# Altium PCB Cabinet_Device.PcbDoc (part 3 of 6)
Units mil, origin at the board's own origin, x right, y up, seen from the top; angles counter-clockwise.
Board outline 9999.43 x 4132.85 mil, 4 copper layers (Top Layer, Ground, Internal Plane 1, Bottom Layer), stack 30.634 mil thick; 517 components, 341 nets, 1478 pads, 1628 vias.
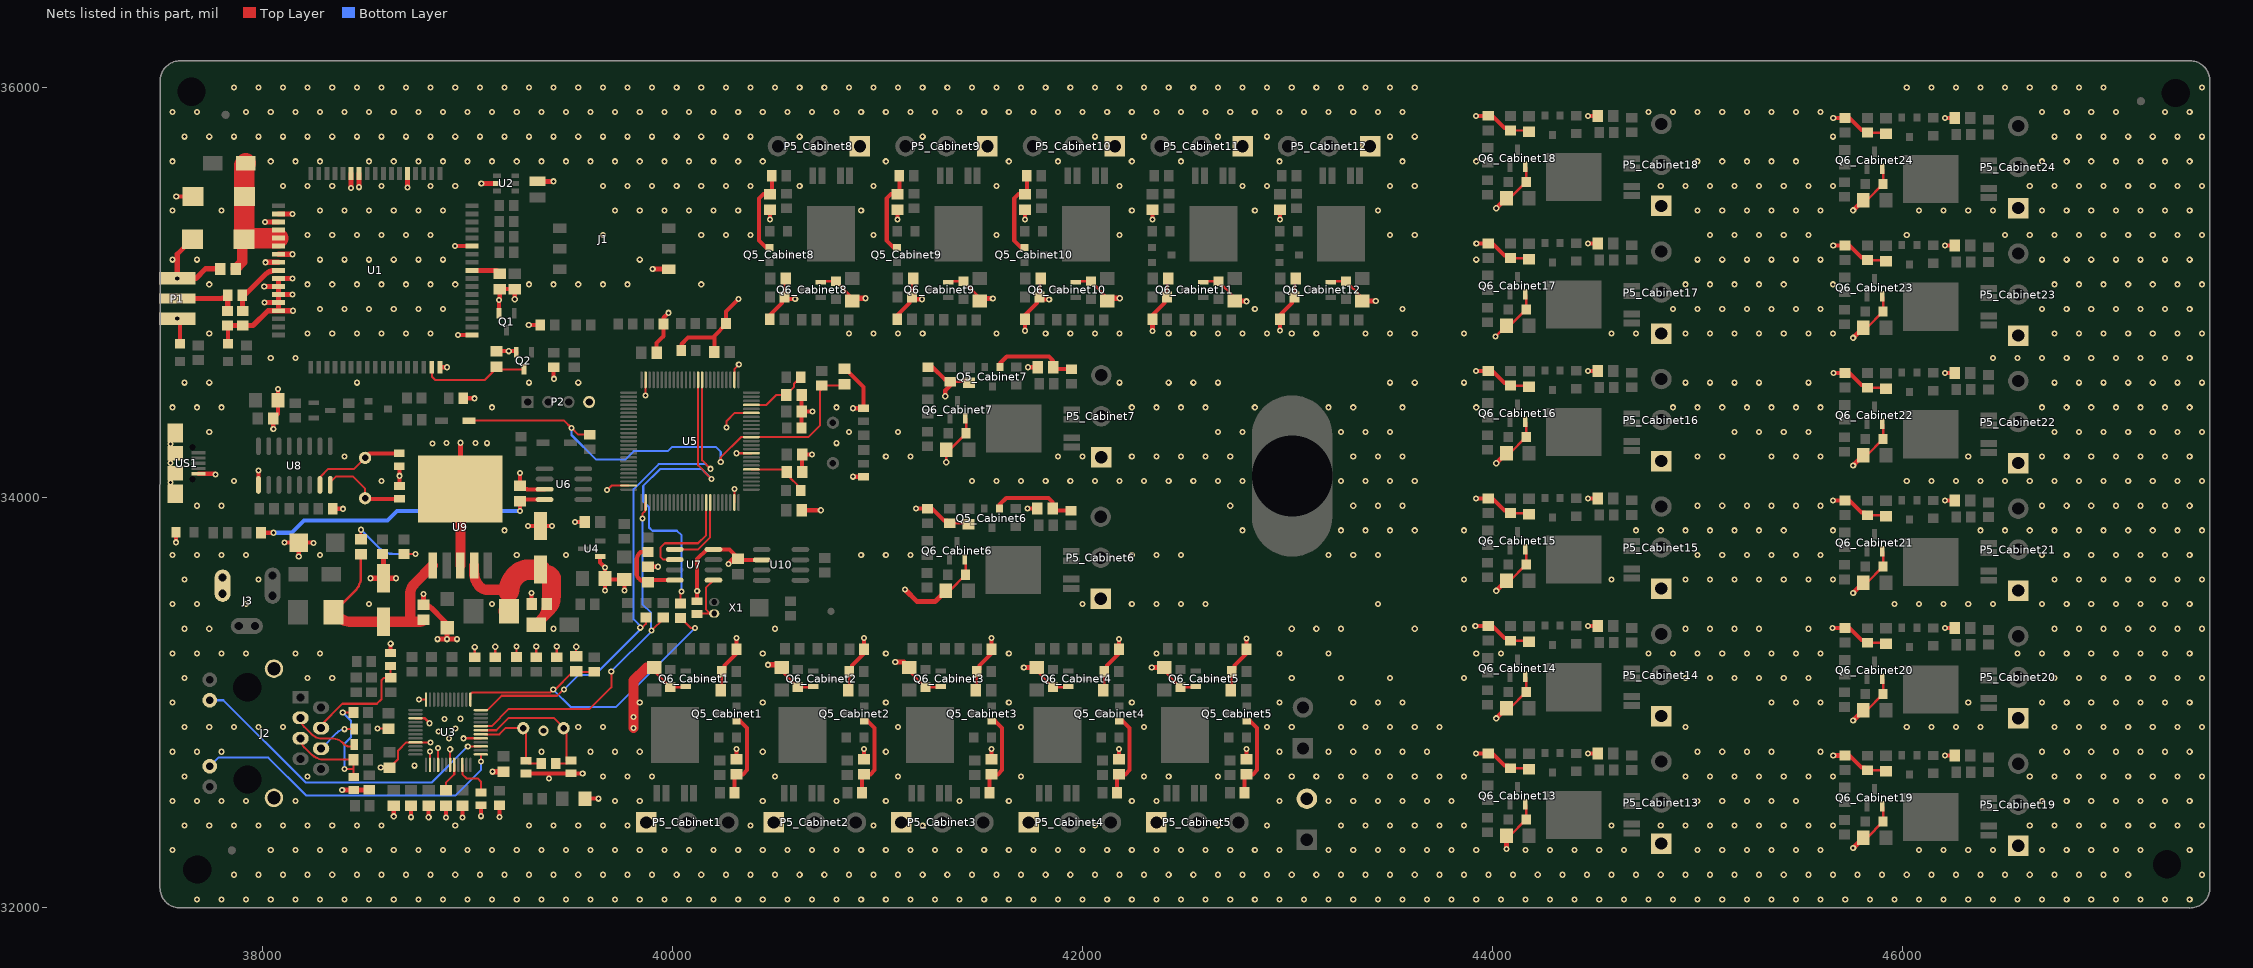
[diagram p5: the nets of this part, all layers, seen from the top]

## Via types
v1: diameter 30, hole 15, Top Layer to Bottom Layer, 1557 vias
v2: diameter 35, hole 15, Top Layer to Bottom Layer, 69 vias
v3: diameter 50, hole 28, Top Layer to Bottom Layer, 1 vias
v4: diameter 30, hole 15, Top Layer to Bottom Layer, tented both sides, 1 vias

## Nets (pads, with @x,y where several pads share a name; then routed paths per layer and width w, separated by ;. In a path a pad name is that pad's centre, name@x,y a point inside that pad or via, vN(x,y) a via of type N, cw(c..) or ccw(c..) an arc to the next point about the centre after c; other vN are vias at no path point) (continued)
GND: C1.2 C2.2 C3.2 C4.2 C5.2 C6.2 C7.2 C8.2 C9.2 C10.2 C11.2 C12.2 C13.2 C14.2 C15.2 C16.1 C17.1 C18.1 C19.2 C20.1 C23.2 C24.1 C25.2 C26.2 C27.2 C28.2 C29.2 C30.2 C31.2 C32.2 C33.2 C34.2 C35.2 C36.2 C37.2 C38.2 C39.2 C40.2 C41.2 C42.2 C44.2 C45.2 C46.2 C47.2 C48_Cabinet1.2 C48_Cabinet2.2 C48_Cabinet3.2 C48_Cabinet4.2 C48_Cabinet5.2 C48_Cabinet6.2 C48_Cabinet7.2 C48_Cabinet8.2 C48_Cabinet9.2 C48_Cabinet10.2 C48_Cabinet11.2 C48_Cabinet12.2 C48_Cabinet13.2 C48_Cabinet14.2 C48_Cabinet15.2 C48_Cabinet16.2 C48_Cabinet17.2 C48_Cabinet18.2 C48_Cabinet19.2 C48_Cabinet20.2 C48_Cabinet21.2 C48_Cabinet22.2 C48_Cabinet23.2 C48_Cabinet24.2 C49_Cabinet1.2 C49_Cabinet2.2 C49_Cabinet3.2 C49_Cabinet4.2 C49_Cabinet5.2 C49_Cabinet6.2 C49_Cabinet7.2 C49_Cabinet8.2 C49_Cabinet9.2 C49_Cabinet10.2 C49_Cabinet11.2 C49_Cabinet12.2 C49_Cabinet13.2 C49_Cabinet14.2 C49_Cabinet15.2 C49_Cabinet16.2 C49_Cabinet17.2 C49_Cabinet18.2 C49_Cabinet19.2 C49_Cabinet20.2 C49_Cabinet21.2 C49_Cabinet22.2 C49_Cabinet23.2 C49_Cabinet24.2 CP1.2 CP2.2 CP3.2 CP4.2 CP5_Cabinet1.2 CP5_Cabinet2.2 CP5_Cabinet3.2 CP5_Cabinet4.2 CP5_Cabinet5.2 CP5_Cabinet6.2 CP5_Cabinet7.2 CP5_Cabinet8.2 CP5_Cabinet9.2 CP5_Cabinet10.2 CP5_Cabinet11.2 CP5_Cabinet12.2 CP5_Cabinet13.2 CP5_Cabinet14.2 CP5_Cabinet15.2 CP5_Cabinet16.2 CP5_Cabinet17.2 CP5_Cabinet18.2 CP5_Cabinet19.2 CP5_Cabinet20.2 CP5_Cabinet21.2 CP5_Cabinet22.2 CP5_Cabinet23.2 CP5_Cabinet24.2 D6.1 D7.1 J1.5 J1.8 J2.13 J3.2 J3.2A J3.2B LED3.2 LED5_Cabinet1.2 LED5_Cabinet2.2 LED5_Cabinet3.2 LED5_Cabinet4.2 LED5_Cabinet5.2 LED5_Cabinet6.2 LED5_Cabinet7.2 LED5_Cabinet8.2 LED5_Cabinet9.2 LED5_Cabinet10.2 LED5_Cabinet11.2 LED5_Cabinet12.2 LED5_Cabinet13.2 LED5_Cabinet14.2 LED5_Cabinet15.2 LED5_Cabinet16.2 LED5_Cabinet17.2 LED5_Cabinet18.2 LED5_Cabinet19.2 LED5_Cabinet20.2 LED5_Cabinet21.2 LED5_Cabinet22.2 LED5_Cabinet23.2 LED5_Cabinet24.2 LR6.2 P1.2 P2.4 P4.2 P5_Cabinet1.1 P5_Cabinet2.1 P5_Cabinet3.1 P5_Cabinet4.1 P5_Cabinet5.1 P5_Cabinet6.1 P5_Cabinet7.1 P5_Cabinet8.1 P5_Cabinet9.1 P5_Cabinet10.1 P5_Cabinet11.1 P5_Cabinet12.1 P5_Cabinet13.1 P5_Cabinet14.1 P5_Cabinet15.1 P5_Cabinet16.1 P5_Cabinet17.1 P5_Cabinet18.1 P5_Cabinet19.1 P5_Cabinet20.1 P5_Cabinet21.1 P5_Cabinet22.1 P5_Cabinet23.1 P5_Cabinet24.1 Q1.2 Q2.2 Q6_Cabinet1.2 Q6_Cabinet2.2 Q6_Cabinet3.2 Q6_Cabinet4.2 Q6_Cabinet5.2 Q6_Cabinet6.2 Q6_Cabinet7.2 Q6_Cabinet8.2 Q6_Cabinet9.2 Q6_Cabinet10.2 Q6_Cabinet11.2 Q6_Cabinet12.2 Q6_Cabinet13.2 Q6_Cabinet14.2 Q6_Cabinet15.2 Q6_Cabinet16.2 Q6_Cabinet17.2 Q6_Cabinet18.2 Q6_Cabinet19.2 Q6_Cabinet20.2 Q6_Cabinet21.2 Q6_Cabinet22.2 Q6_Cabinet23.2 Q6_Cabinet24.2 R4.2 R9.2 R14.2 R15.2 R20.1 R21.1 R22.1 R23.1 R24.1 R26.1 R28.2 R41.1 R48.1 R49.2 R55.2 R59_Cabinet1.1 R59_Cabinet2.1 R59_Cabinet3.1 R59_Cabinet4.1 R59_Cabinet5.1 R59_Cabinet6.1 R59_Cabinet7.1 R59_Cabinet8.1 R59_Cabinet9.1 R59_Cabinet10.1 R59_Cabinet11.1 R59_Cabinet12.1 R59_Cabinet13.1 R59_Cabinet14.1 R59_Cabinet15.1 R59_Cabinet16.1 R59_Cabinet17.1 R59_Cabinet18.1 R59_Cabinet19.1 R59_Cabinet20.1 R59_Cabinet21.1 R59_Cabinet22.1 R59_Cabinet23.1 R59_Cabinet24.1 R62_Cabinet1.1 R62_Cabinet2.1 R62_Cabinet3.1 R62_Cabinet4.1 R62_Cabinet5.1 R62_Cabinet6.1 R62_Cabinet7.1 R62_Cabinet8.1 R62_Cabinet9.1 R62_Cabinet10.1 R62_Cabinet11.1 R62_Cabinet12.1 R62_Cabinet13.1 R62_Cabinet14.1 R62_Cabinet15.1 R62_Cabinet16.1 R62_Cabinet17.1 R62_Cabinet18.1 R62_Cabinet19.1 R62_Cabinet20.1 R62_Cabinet21.1 R62_Cabinet22.1 R62_Cabinet23.1 R62_Cabinet24.1 U1.17 U1.18 U1.29 U1.39 U1.45 U1.46 U1.53 U1.54 U1.58 U1.59 U1.61 U1.62 U1.63 U1.64 U1.65 U2.2 U3.3 U3.9 U3.14 U3.16 U3.19 U3.29 U3.48 U4.1 U5.10 U5.20 U5.27 U5.49 U5.74 U5.99 U6.3 U7.4 U8.1 U9.3 U9.6 U10.2 US1.5 US1.MH1 US1.MH2 US1.MH3 US1.MH4 来电.2 状态.2 | length 25839.1
  Top Layer w10: v1(38560.6,32872.6) C10.2@38615,32872.6 ; v1(38576.4,32682.6) C9.2@38620,32682.6 38660.53,32723.13 38660.53,32765.53 38700.79,32805.79 U3.9@38745.98,32805.79 v1(38819.79,32805.79) ; v1(38763.55,33014.45) U3.48@38797.17,33014.45 ; U3.14@38816.85,32695.55 v1(38816.85,32760.85) ; U3.16@38856.22,32695.55 v1(38856.22,32778.22) ; U3.19@38915.28,32695.55 v1(38915.28,32772.28) ; v1(39035,33270) R20.1@39035,33220.43 R20.1@39040.97,33226.4 ; R21.1@39135,33220.43 v1(39135,33272) ; R22.1@39238.87,33221.67 v1(39238.87,33273.13) ; R23.1@39335,33220.43 v1(39335,33274) ; R24.1@39435,33220.43 v1(39435,33273) ; C15.2@39530,33226.4 v1(39530,33272) ; v1(39680,34036) 39702.46,34058.46 U5.74@39785.79,34058.46 ; v1(39868.46,34497.46) U5.49@39868.46,34574.21 ; v1(40263,34341) 40263,34372 40303.8,34412.8 U5.20@40384.21,34412.8 ; U5.99@40301.54,33975.79 v1(40301.54,34041.54) ; U5.27@40301.54,34574.21 40301.54,34626.54 v1(40323,34648) ; v1(40312.06,34215.94) U5.10@40384.21,34215.94
  Top Layer w12: U3.3@38745.98,32923.9 38790.1,32923.9 v1(38815,32899) ; v1(38980.53,32825.47) U3.29@39064.88,32825.47 ; CP5_Cabinet1.2@39910.13,33171.12 39910.13,33153.5 LED5_Cabinet1.2@39989.13,33074.5 40059.69,33074.5 Q6_Cabinet1.2@40063.79,33078.6 ; C48_Cabinet1.2@40235.17,33060 40240.13,33064.97 R59_Cabinet1.1@40240.13,33151 ; CP5_Cabinet2.2@40532.13,33171.12 40532.13,33153.5 LED5_Cabinet2.2@40611.13,33074.5 40681.69,33074.5 Q6_Cabinet2.2@40685.79,33078.6 ; R59_Cabinet8.1@40545.87,34978 40545.87,35064.03 C48_Cabinet8.2@40550.83,35069 ; Q6_Cabinet8.2@40722.21,35050.4 40726.31,35054.5 LED5_Cabinet8.2@40796.87,35054.5 40875.87,34975.5 CP5_Cabinet8.2@40875.87,34957.88 ; C48_Cabinet2.2@40857.17,33060 40862.13,33064.97 R59_Cabinet2.1@40862.13,33151 ; CP5_Cabinet3.2@41154.13,33171.12 41154.13,33153.5 LED5_Cabinet3.2@41233.13,33074.5 41303.69,33074.5 Q6_Cabinet3.2@41307.79,33078.6 ; R59_Cabinet9.1@41167.87,34978 41167.87,35064.03 C48_Cabinet9.2@41172.83,35069 ; CP5_Cabinet6.2@41332.42,33544.33 41350.04,33544.33 LED5_Cabinet6.2@41429.04,33623.33 41429.04,33693.89 Q6_Cabinet6.2@41424.94,33697.99 ; v1(41334.88,34172.12) CP5_Cabinet7.2@41334.88,34234.13 41352.5,34234.13 LED5_Cabinet7.2@41431.5,34313.13 41431.5,34383.69 Q6_Cabinet7.2@41427.4,34387.79 ; Q6_Cabinet9.2@41344.21,35050.4 41348.31,35054.5 LED5_Cabinet9.2@41418.87,35054.5 41497.87,34975.5 CP5_Cabinet9.2@41497.87,34957.88 ; R59_Cabinet6.1@41352.54,33874.33 41438.57,33874.33 C48_Cabinet6.2@41443.54,33869.36 ; R59_Cabinet7.1@41355,34564.13 41441.03,34564.13 C48_Cabinet7.2@41446,34559.17 ; C48_Cabinet3.2@41479.17,33060 41484.13,33064.97 R59_Cabinet3.1@41484.13,33151 ; CP5_Cabinet4.2@41776.13,33171.12 41776.13,33153.5 LED5_Cabinet4.2@41855.13,33074.5 41925.69,33074.5 Q6_Cabinet4.2@41929.79,33078.6 ; R59_Cabinet10.1@41789.87,34978 41789.87,35064.03 C48_Cabinet10.2@41794.83,35069 ; Q6_Cabinet10.2@41966.21,35050.4 41970.31,35054.5 LED5_Cabinet10.2@42040.87,35054.5 42119.87,34975.5 CP5_Cabinet10.2@42119.87,34957.88 ; C48_Cabinet4.2@42101.17,33060 42106.13,33064.97 R59_Cabinet4.1@42106.13,33151 R59_Cabinet4.1@42106.13,33167.13 ; CP5_Cabinet5.2@42398.13,33171.12 42398.13,33153.5 LED5_Cabinet5.2@42477.13,33074.5 42547.69,33074.5 Q6_Cabinet5.2@42551.79,33078.6 ; R59_Cabinet11.1@42411.87,34978 42411.87,35064.03 C48_Cabinet11.2@42416.83,35069 ; Q6_Cabinet11.2@42588.21,35050.4 42592.31,35054.5 LED5_Cabinet11.2@42662.87,35054.5 42741.87,34975.5 CP5_Cabinet11.2@42741.87,34957.88 ; C48_Cabinet5.2@42723.17,33060 42728.13,33064.97 R59_Cabinet5.1@42728.13,33151 ; R59_Cabinet12.1@43033.87,34978 43033.87,35064.03 C48_Cabinet12.2@43038.83,35069 ; Q6_Cabinet12.2@43210.21,35050.4 43214.31,35054.5 LED5_Cabinet12.2@43284.87,35054.5 43363.87,34975.5 CP5_Cabinet12.2@43363.87,34957.88 ; v1(44014.75,34786) CP5_Cabinet17.2@44066.88,34838.13 44084.5,34838.13 LED5_Cabinet17.2@44163.5,34917.13 44163.5,34987.69 Q6_Cabinet17.2@44159.4,34991.79 ; CP5_Cabinet13.2@44066.88,32350.13 44084.5,32350.13 LED5_Cabinet13.2@44163.5,32429.13 44163.5,32499.69 Q6_Cabinet13.2@44159.4,32503.79 ; CP5_Cabinet14.2@44066.88,32972.13 44084.5,32972.13 LED5_Cabinet14.2@44163.5,33051.13 44163.5,33121.69 Q6_Cabinet14.2@44159.4,33125.79 ; CP5_Cabinet15.2@44066.88,33594.13 44084.5,33594.13 LED5_Cabinet15.2@44163.5,33673.13 44163.5,33743.69 Q6_Cabinet15.2@44159.4,33747.79 ; CP5_Cabinet16.2@44066.88,34216.13 44084.5,34216.13 LED5_Cabinet16.2@44163.5,34295.13 44163.5,34365.69 Q6_Cabinet16.2@44159.4,34369.79 ; CP5_Cabinet18.2@44066.88,35460.13 44084.5,35460.13 LED5_Cabinet18.2@44163.5,35539.13 44163.5,35609.69 Q6_Cabinet18.2@44159.4,35613.79 ; R59_Cabinet13.1@44087,32680.13 44173.03,32680.13 C48_Cabinet13.2@44178,32675.17 ; R59_Cabinet14.1@44087,33302.13 44173.03,33302.13 C48_Cabinet14.2@44178,33297.17 ; R59_Cabinet15.1@44087,33924.13 44173.03,33924.13 C48_Cabinet15.2@44178,33919.17 ; R59_Cabinet16.1@44087,34546.13 44173.03,34546.13 C48_Cabinet16.2@44178,34541.17 ; R59_Cabinet17.1@44087,35168.13 44173.03,35168.13 C48_Cabinet17.2@44178,35163.17 ; R59_Cabinet18.1@44087,35790.13 44173.03,35790.13 C48_Cabinet18.2@44178,35785.17 ; CP5_Cabinet19.2@45807.88,32340.13 45825.5,32340.13 LED5_Cabinet19.2@45904.5,32419.13 45904.5,32489.69 Q6_Cabinet19.2@45900.4,32493.79 ; CP5_Cabinet20.2@45807.88,32962.13 45825.5,32962.13 LED5_Cabinet20.2@45904.5,33041.13 45904.5,33111.69 Q6_Cabinet20.2@45900.4,33115.79 ; CP5_Cabinet21.2@45807.88,33584.13 45825.5,33584.13 LED5_Cabinet21.2@45904.5,33663.13 45904.5,33733.69 Q6_Cabinet21.2@45900.4,33737.79 ; CP5_Cabinet22.2@45807.88,34206.13 45825.5,34206.13 LED5_Cabinet22.2@45904.5,34285.13 45904.5,34355.69 Q6_Cabinet22.2@45900.4,34359.79 ; CP5_Cabinet23.2@45807.88,34828.13 45825.5,34828.13 LED5_Cabinet23.2@45904.5,34907.13 45904.5,34977.69 Q6_Cabinet23.2@45900.4,34981.79 ; CP5_Cabinet24.2@45807.88,35450.13 45825.5,35450.13 LED5_Cabinet24.2@45904.5,35529.13 45904.5,35599.69 Q6_Cabinet24.2@45900.4,35603.79 ; R59_Cabinet19.1@45828,32670.13 45914.03,32670.13 C48_Cabinet19.2@45919,32665.17 ; R59_Cabinet20.1@45828,33292.13 45914.03,33292.13 C48_Cabinet20.2@45919,33287.17 ; R59_Cabinet21.1@45828,33914.13 45914.03,33914.13 C48_Cabinet21.2@45919,33909.17 ; R59_Cabinet22.1@45828,34536.13 45914.03,34536.13 C48_Cabinet22.2@45919,34531.17 ; R59_Cabinet23.1@45828,35158.13 45914.03,35158.13 C48_Cabinet23.2@45919,35153.17 ; R59_Cabinet24.1@45828,35780.13 45914.03,35780.13 C48_Cabinet24.2@45919,35775.17
  Top Layer w20: US1.MH4@37550.68,34017.36 US1.MH4@37550.68,34019.36 ; v1(37550.68,34168) v1(37550.68,34261) ; v1(37578.5,33781.5) LED3.2@37578.5,33829 ; v1(37579,35468) C5.2@37660.02,35468 ; P1.2@37584,34872.08 37597,34859.08 来电.2@37597,34750.01 ; US1.5@37686.87,34115.82 37768.18,34115.82 v1(37771,34113) ; 状态.2@37832,34750.01 C1.2@37832,34836.07 ; U8.1@37980,34061.51 v1(37980,34131) ; v1(38052.4,34334.6) C39.2@38052.4,34385 38075.12,34407.72 CP4.2@38075.12,34474 v1(38075.12,34529.12) ; v1(38107,33780) D6.1@38176.42,33780 ; v1(38176.42,33712.42) D6.1@38176.42,33780 ; v1(38249,33779) 38248,33780 D6.1@38176.42,33780 ; R49.2@38342.43,33945 v1(38393,33945) ; C20.1@38625,33241.5 v1(38625,33287) ; v1(38640,32445) C14.2@38640,32497.6 ; C41.2@38667,34152.5 38668,34151.5 v1(38668,34106) C40.2@38668,34056.5 ; v1(38723.76,32440.76) C13.2@38723.76,32497.6 ; v1(38810.43,32440.43) C12.2@38810.43,32497.6 ; U1.17@38864.96,34635.47 v1(38899.47,34635.47) ; v1(38895,32440) C19.2@38895,32497.6 ; v1(38938.02,35226.02) U1.29@39022.44,35226.02 ; v1(38954.05,34792.95) U1.18@39022.44,34792.95 ; v1(38975.43,32439.57) C11.2@38975.43,32497.6 ; R48.1@38978.43,34484 v1(39033,34484) ; v1(39065.43,32445.57) C18.1@39065.43,32498.5 ; C6.2@39150,34713.74 v1(39201,34713.74) 39231.54,34713.74 Q2.2@39237.6,34707.68 ; Q1.2@39152.6,34897.68 v1(39152.6,34963.6) 39157,34968 C7.2@39157,35016.6 C8.2@39230,35016.6 v1(39230,34967) ; v1(39155.43,32441.57) R28.2@39155.43,32499.57 ; v1(39255,34120) C38.2@39255,34057.4 ccw(c39297.01,34099.41) 39297.01,34040 U6.3@39375.51,34040 ; C16.1@39278,32653 39278.5,32653.5 C16.1@39285,32653.5 39397,32653.5 ; v1(39295.3,33861.3) C42.2@39355,33861.3 v1(39412.7,33861.3) ; v1(39298.34,34841.34) R4.2@39354.57,34841.34 ; C46.2@39312.6,33480 v1(39312.6,33533.6) ; v1(39397,32629) 39397,32653.5 ; R9.2@39420,34635.91 39420,34580 v1(39421,34579) ; C17.1@39502,32657.5 39498,32653.5 39397,32653.5 ; C17.1@39504,32654.5 v1(39561.5,32654.5) ; v1(39524,33880) C27.2@39572.6,33880 ; CP1.2@39572.12,32531 v1(39639,32531) ; U4.1@39646.34,33712.6 39646.34,33682.9 v1(39670.12,33659.12) CP2.2@39670.12,33605 ; v1(39670.12,33547.12) CP2.2@39670.12,33605 ; v1(39765,33547) CP3.2@39765,33599.88 39675.24,33599.88 CP2.2@39670.12,33605 ; C36.2@39880,33662.4 v1(39929.6,33662.4) ; C29.2@39922.4,34706 39922.4,34753.4 39955.87,34786.87 R14.2@39955.87,34846.34 39955.87,34876.87 v1(39980,34901) ; R41.1@40042.57,34709 40042.57,34747.57 40076,34781 40195.94,34781 40203.6,34788.66 ; C37.2@40119,33494.5 40120,33495.5 v1(40120,33544) 40120,33700 40167,33747 U7.4@40199.49,33747 40278.4,33747 C47.2@40320,33705.4 ; C30.2@40203.6,34709 40203.6,34788.66 ; R59_Cabinet1.1@40240.13,33151 40253,33163.87 40253,33180 40311.43,33238.43 R62_Cabinet1.1@40311.43,33260 v1(40311.43,33314.43) ; v1@40274,33681 40298.4,33705.4 C47.2@40320,33705.4 ; C49_Cabinet1.2@40311.57,32724.4 v1(40311.57,32773) ; v1(40322,34968) 40261,34907 R15.2@40261,34849 40261,34846.06 40203.6,34788.66 ; U10.2@40434.51,33696 40329.4,33696 C47.2@40320,33705.4 ; v1(40474.43,35356) C49_Cabinet8.2@40474.43,35404.6 ; R62_Cabinet8.1@40474.57,34869 40474.57,34890.57 40533,34949 40533,34965.13 R59_Cabinet8.1@40541.93,34974.07 ; R59_Cabinet8.1@40545.87,34978 40554.87,34969 v1(40598,34969) ; LR6.2@40628.43,34339 40628.43,34500.03 C32.2@40629.4,34501 ; C28.2@40629.4,33938 v1(40723,33938) ; C31.2@40630.4,34419 v1(40683,34419) ; C25.2@40631.4,34124 C26.2@40631.4,34210 v1(40680,34210) ; C33.2@40839,34628.4 40841.94,34628.4 40932,34538.34 C35.2@40932,34435.5 v1(40879.5,34435.5) ; R59_Cabinet2.1@40862.13,33151 40875,33163.87 40875,33180 40933.43,33238.43 R62_Cabinet2.1@40933.43,33260 40933.43,33314.57 v1(40933,33315) ; v1(40879.5,34101.5) C34.2@40932,34101.5 ; C49_Cabinet2.2@40933.57,32724.4 v1(40933.57,32773) ; v1(41096.43,35356) C49_Cabinet9.2@41096.43,35404.6 ; R62_Cabinet9.1@41096.57,34869 41096.57,34890.57 41155,34949 41155,34965.13 R59_Cabinet9.1@41167.87,34978 41178.87,34967 v1(41217,34967) ; v1(41186.63,33945.63) R62_Cabinet6.1@41243.54,33945.63 41265.1,33945.63 41323.54,33887.2 41339.67,33887.2 R59_Cabinet6.1@41352.54,33874.33 ; R62_Cabinet7.1@41246,34635.43 41267.57,34635.43 41326,34577 41342.13,34577 R59_Cabinet7.1@41355,34564.13 41355,34547 41330,34522 v1(41330,34494) ; R59_Cabinet3.1@41484.13,33151 41497,33163.87 41497,33180 41555.43,33238.43 R62_Cabinet3.1@41555.43,33260 v1(41555.43,33315.43) ; C49_Cabinet3.2@41555.57,32724.4 v1(41555.57,32773) ; v1(41718.43,35356) C49_Cabinet10.2@41718.43,35404.6 ; v1(41718.57,34813.43) R62_Cabinet10.1@41718.57,34869 41718.57,34890.57 41777,34949 41777,34965.13 R59_Cabinet10.1@41789.87,34978 41801.87,34966 v1(41837,34966) ; v1(41730.54,33945.76) C49_Cabinet6.2@41779.14,33945.76 ; v1(41733,34635.57) C49_Cabinet7.2@41781.6,34635.57 ; R59_Cabinet4.1@42106.13,33151 42119,33163.87 42119,33180 42177.43,33238.43 R62_Cabinet4.1@42177.43,33260 v1(42177.43,33309.43) ; C49_Cabinet4.2@42177.57,32724.4 v1(42177.57,32773) ; v1(42340.43,35356) C49_Cabinet11.2@42340.43,35404.6 ; R62_Cabinet11.1@42340.57,34869 42340.57,34890.57 42399,34949 42399,34965.13 R59_Cabinet11.1@42411.87,34978 ; R59_Cabinet5.1@42728.13,33151 42741,33163.87 42741,33180 42799.43,33238.43 R62_Cabinet5.1@42799.43,33260 v1(42799.43,33312.43) ; C49_Cabinet5.2@42799.57,32724.4 v1(42799.57,32773) ; v1(42962.43,35356) C49_Cabinet12.2@42962.43,35404.6 ; v1(42962.57,34814.43) R62_Cabinet12.1@42962.57,34869 42962.57,34890.57 43021,34949 43021,34965.13 R59_Cabinet12.1@43033.87,34978 ; v1(43915.43,33373.43) R62_Cabinet14.1@43978,33373.43 43999.57,33373.43 44058,33315 44074.13,33315 R59_Cabinet14.1@44087,33302.13 ; v1(43918.43,34617.43) R62_Cabinet16.1@43978,34617.43 43999.57,34617.43 44058,34559 44074.13,34559 R59_Cabinet16.1@44087,34546.13 ; v1(43919.43,33995.43) R62_Cabinet15.1@43978,33995.43 43999.57,33995.43 44058,33937 44074.13,33937 R59_Cabinet15.1@44087,33924.13 ; v1(43919.43,35861.43) R62_Cabinet18.1@43978,35861.43 43999.57,35861.43 44058,35803 44074.13,35803 R59_Cabinet18.1@44087,35790.13 ; v1(43919.57,32751.43) R62_Cabinet13.1@43978,32751.43 43999.57,32751.43 44058,32693 44074.13,32693 R59_Cabinet13.1@44087,32680.13 ; v1(43920.43,35239.43) R62_Cabinet17.1@43978,35239.43 43999.57,35239.43 44058,35181 44074.13,35181 R59_Cabinet17.1@44087,35168.13 ; v1(44465,32751.57) C49_Cabinet13.2@44513.6,32751.57 ; v1(44465,33373.57) C49_Cabinet14.2@44513.6,33373.57 ; v1(44465,33995.57) C49_Cabinet15.2@44513.6,33995.57 ; v1(44465,34617.57) C49_Cabinet16.2@44513.6,34617.57 ; v1(44465,35239.57) C49_Cabinet17.2@44513.6,35239.57 ; v1(44465,35861.57) C49_Cabinet18.2@44513.6,35861.57 ; v1(45658.43,33363.43) R62_Cabinet20.1@45719,33363.43 45740.57,33363.43 45799,33305 45815.13,33305 R59_Cabinet20.1@45828,33292.13 ; v1(45659.57,33985.43) R62_Cabinet21.1@45719,33985.43 45740.57,33985.43 45799,33927 45815.13,33927 R59_Cabinet21.1@45828,33914.13 ; v1(45661.43,35229.43) R62_Cabinet23.1@45719,35229.43 45740.57,35229.43 45799,35171 45815.13,35171 R59_Cabinet23.1@45828,35158.13 ; v1(45661.57,35851.43) R62_Cabinet24.1@45719,35851.43 45740.57,35851.43 45799,35793 45815.13,35793 R59_Cabinet24.1@45828,35780.13 ; v1(45662.43,34607.43) R62_Cabinet22.1@45719,34607.43 45740.57,34607.43 45799,34549 45815.13,34549 R59_Cabinet22.1@45828,34536.13 ; R62_Cabinet19.1@45719,32741.43 45740.57,32741.43 45799,32683 45815.13,32683 R59_Cabinet19.1@45828,32670.13 ; v1(46206,32741.57) C49_Cabinet19.2@46254.6,32741.57 ; v1(46206,33363.57) C49_Cabinet20.2@46254.6,33363.57 ; v1(46206,33985.57) C49_Cabinet21.2@46254.6,33985.57 ; v1(46206,34607.57) C49_Cabinet22.2@46254.6,34607.57 ; v1(46206,35229.57) C49_Cabinet23.2@46254.6,35229.57 ; v1(46206,35851.57) C49_Cabinet24.2@46254.6,35851.57
  Top Layer w25: C3.2@37658.02,35260.5 37584,35186.49 P1.2@37584,35068.93 37675.34,35068.93 37722,35115.59 C4.2@37793.6,35115.59 ; C1.2@37829,34839.07 C2.2@37904,34839.07 37954.07,34839.07 38026.06,34911.06 U1.65@38077.56,34911.06 ; v1(38008.17,35029.17) U1.62@38077.56,35029.17 ; v1(38009.43,34950.43) U1.64@38077.56,34950.43 ; v1(38012.13,35344.13) U1.54@38077.56,35344.13 ; v1(38014.28,35147.28) U1.59@38077.56,35147.28 ; U1.58@38077.56,35186.65 v1(38146.65,35186.65) ; U1.53@38077.56,35383.5 v1(38145.5,35383.5) ; v1(38145.46,35068.54) U1.61@38077.56,35068.54 U1.62@38077.56,35029.17 ; v1(38146.8,34989.8) U1.63@38077.56,34989.8 ; v1(38147.94,34911.06) U1.65@38077.56,34911.06 ; v1(38388.5,32573.5) C24.1@38445,32573.5 38518.94,32573.5 R26.1@38520,32574.57 ; v1(38431.89,35510.11) U1.46@38431.89,35580.35 ; v1(38471.26,35513.74) U1.45@38471.26,35580.35 ; v1(38526.7,33606.3) C44.2@38590,33606.3 ; R55.2@38585,33724.57 cw(c38572.93,33712.5) 38590,33712.5 C44.2@38590,33606.3 ; v1(38650.7,33606.3) C44.2@38590,33606.3 ; v1(38707.48,35512.52) U1.39@38707.48,35580.35 ; v1(38785,33529) C45.2@38785,33477.4 cw(c38785,33422.84) 38823.58,33461.42 38885.52,33399.48 cw(c38850.58,33364.53) D7.1@38900,33364.53 v1(38900,33309) ; v1(38853,33309) v1(38900,33309) ; v1(38948,33309) v1(38900,33309) ; U9.6@38965,34040.83 v1(38965,34267) ; v1(39067,35532) U2.2@39143.71,35532 ; v1(39121.4,32662.6) C23.2@39175,32662.6 ; J1.8@39341.73,35542.35 v1(39419.65,35542.35) ; v1(39903,35114) J1.5@39981.5,35114 ; v1(40466,33184) 40519.25,33184 CP5_Cabinet2.2@40532.13,33171.12 ; CP5_Cabinet8.2@40875.87,34957.88 40889.98,34972 v1(40941,34972) ; v1(41086,33197) 41128.25,33197 CP5_Cabinet3.2@41154.13,33171.12 ; v1(41134,33551) 41193,33492 41280.09,33492 CP5_Cabinet6.2@41332.42,33544.33 ; CP5_Cabinet9.2@41497.87,34957.88 41509.98,34970 v1(41562,34970) ; v1(41713.12,33171.12) CP5_Cabinet4.2@41776.13,33171.12 ; CP5_Cabinet10.2@42119.87,34957.88 42125.88,34957.88 42140,34972 v1(42181,34972) ; v1(42337.12,33171.12) CP5_Cabinet5.2@42398.13,33171.12 ; v1(42340.57,34811.43) R62_Cabinet11.1@42340.57,34869 ; CP5_Cabinet11.2@42741.87,34957.88 42799.12,34957.88 v1(42800,34957) ; CP5_Cabinet12.2@43363.87,34957.88 v1(43429.88,34957.88) ; v1(44017.75,32923) CP5_Cabinet14.2@44066.88,32972.13 ; v1(44017.75,33545) CP5_Cabinet15.2@44066.88,33594.13 ; v1(44017.75,34167) CP5_Cabinet16.2@44066.88,34216.13 ; v1(44017.75,35411) CP5_Cabinet18.2@44066.88,35460.13 ; v1(44066.88,32285.88) CP5_Cabinet13.2@44066.88,32350.13 ; v1(45661.43,32741.43) R62_Cabinet19.1@45719,32741.43 ; v1(45758.75,32291) CP5_Cabinet19.2@45807.88,32340.13 ; v1(45758.75,32913) CP5_Cabinet20.2@45807.88,32962.13 ; v1(45758.75,33535) CP5_Cabinet21.2@45807.88,33584.13 ; v1(45758.75,34157) CP5_Cabinet22.2@45807.88,34206.13 ; v1(45758.75,34779) CP5_Cabinet23.2@45807.88,34828.13 ; v1(45758.75,35401) CP5_Cabinet24.2@45807.88,35450.13 ; U1.65@38077.56,34911.06 U1.64@38077.56,34950.43 ; U1.64@38077.56,34950.43 U1.63@38077.56,34989.8 ; U1.63@38077.56,34989.8 U1.62@38077.56,35029.17